# Altium PCB 16SoundsUSB.PcbDoc (part 1 of 4)
Units mil, origin at the board's own origin, x right, y up, seen from the top; angles counter-clockwise.
Board outline 6377.95 x 6377.95 mil, 4 copper layers (Top Layer, GND Plane, Signal Layer 2, Bottom Layer), stack 63.902 mil thick; 583 components, 362 nets, 1734 pads, 554 vias.
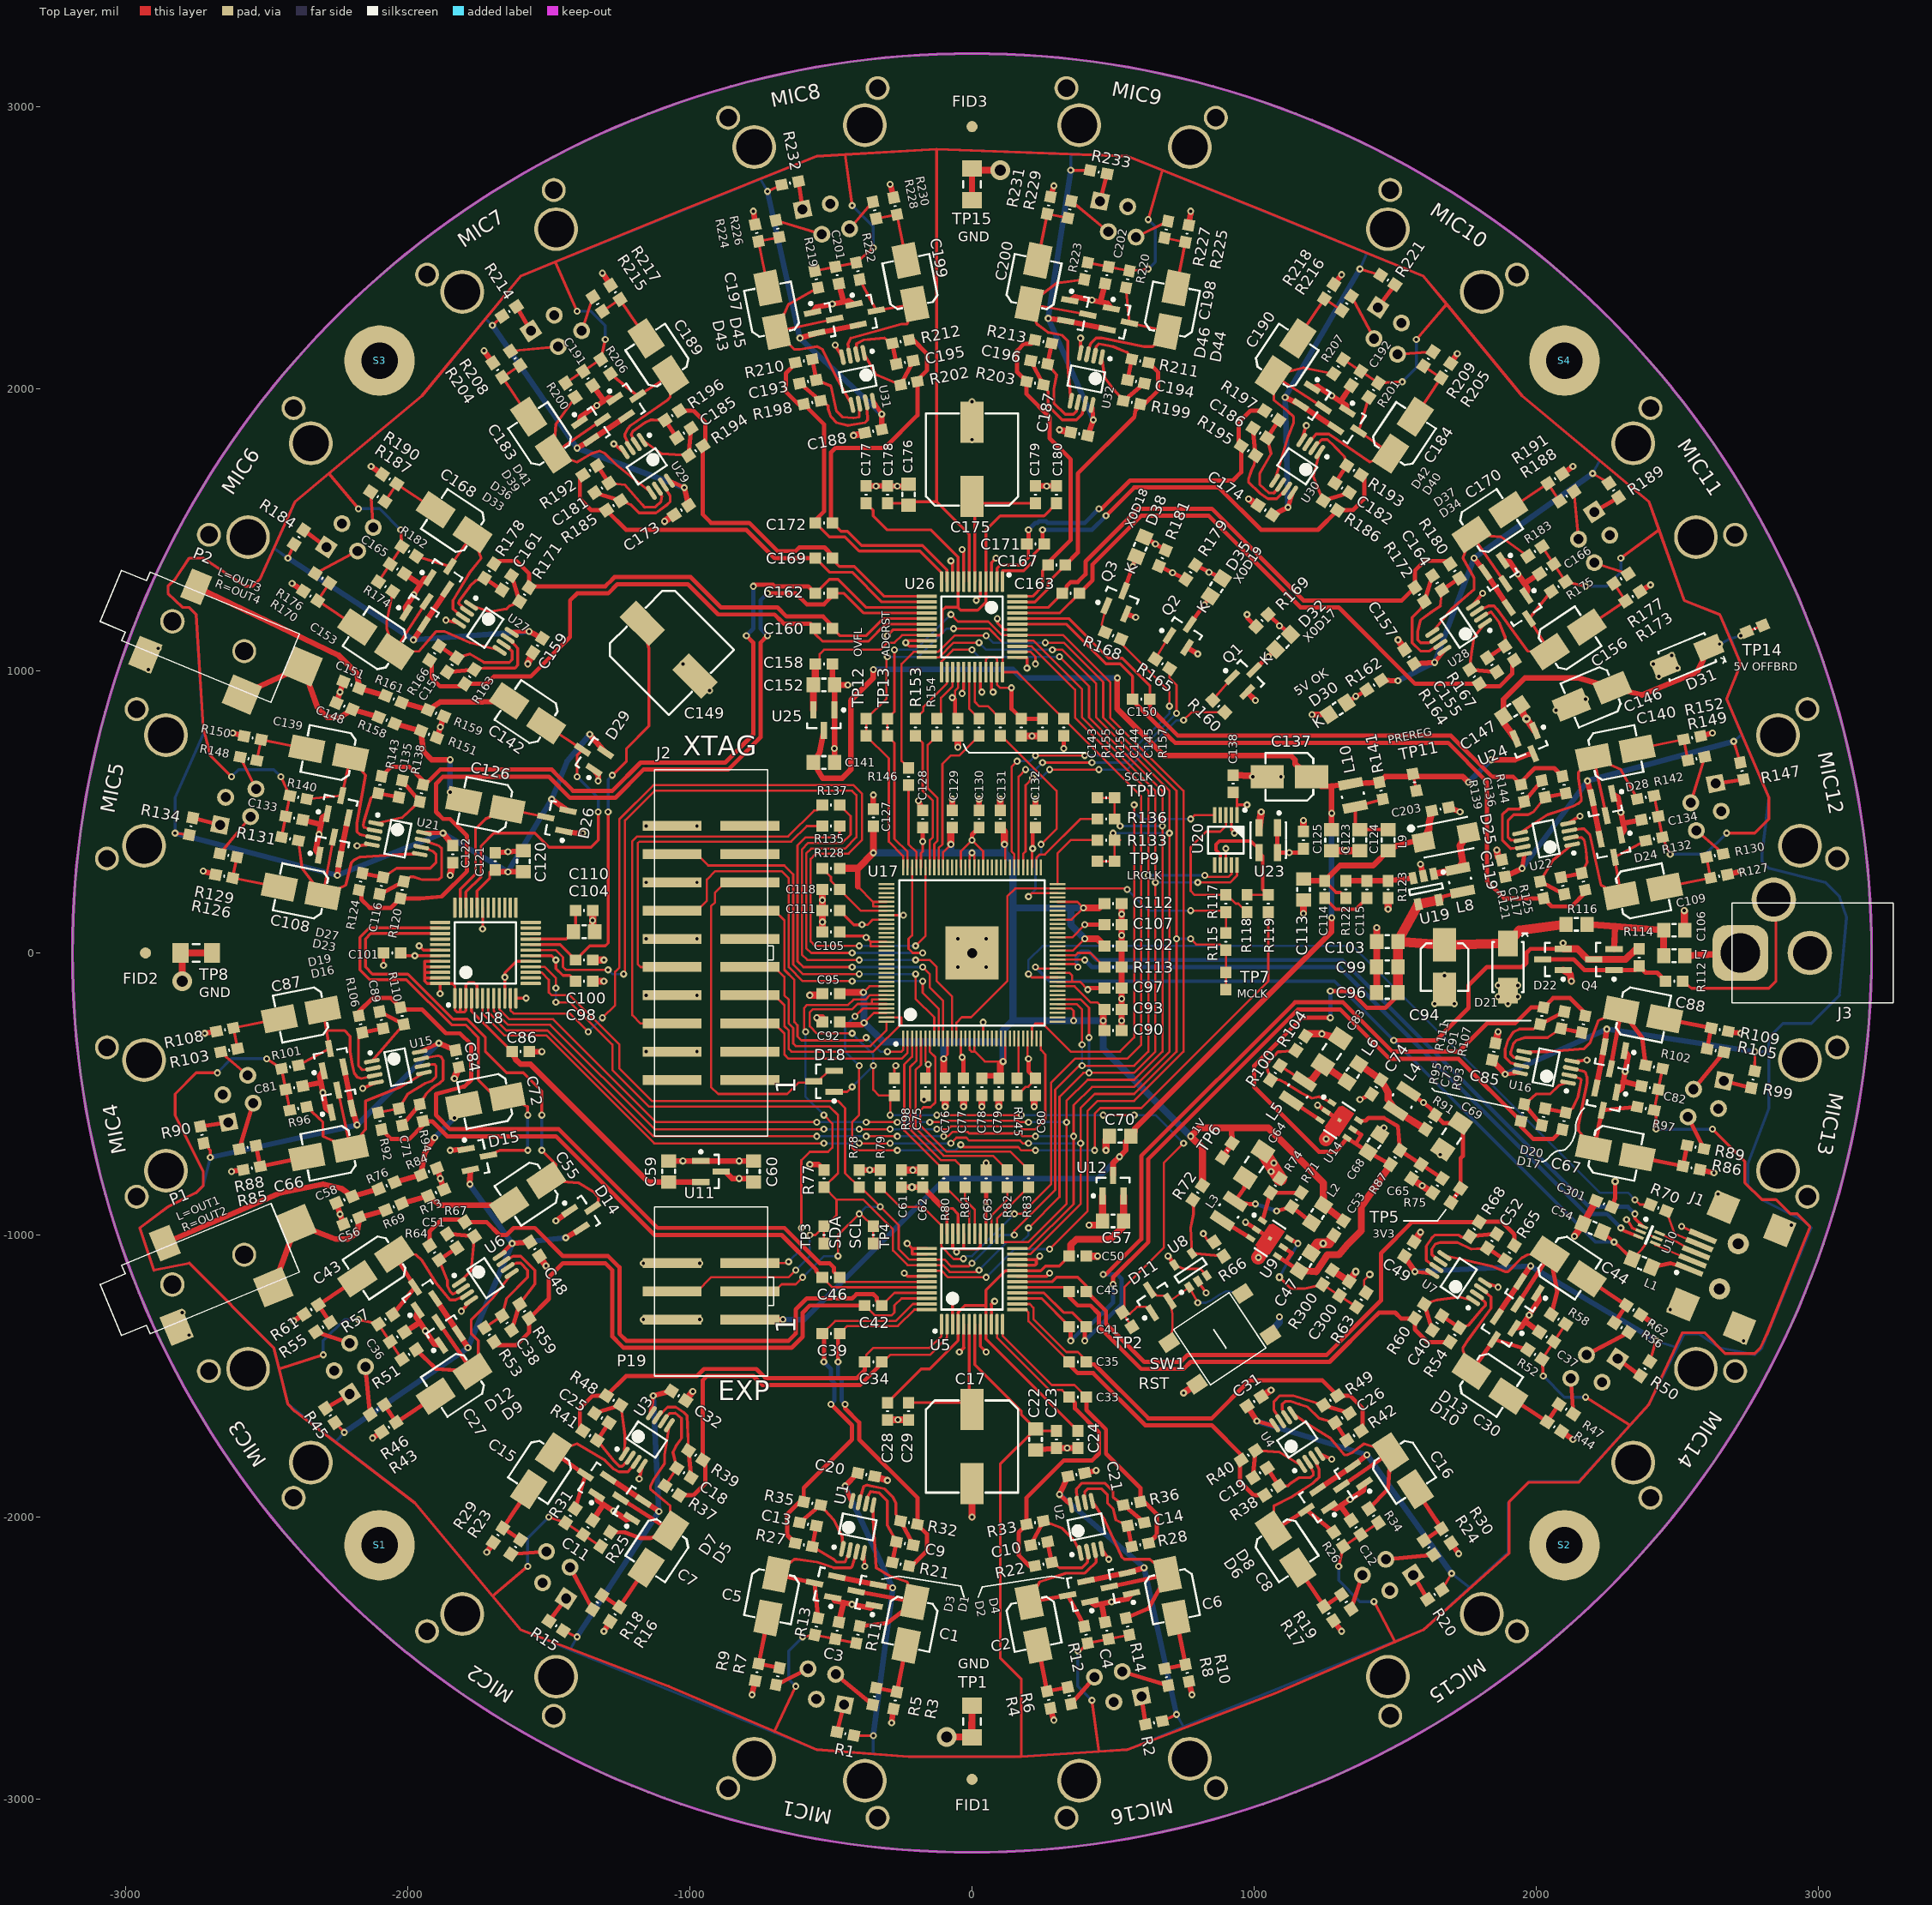
[diagram p0: Top Layer view]
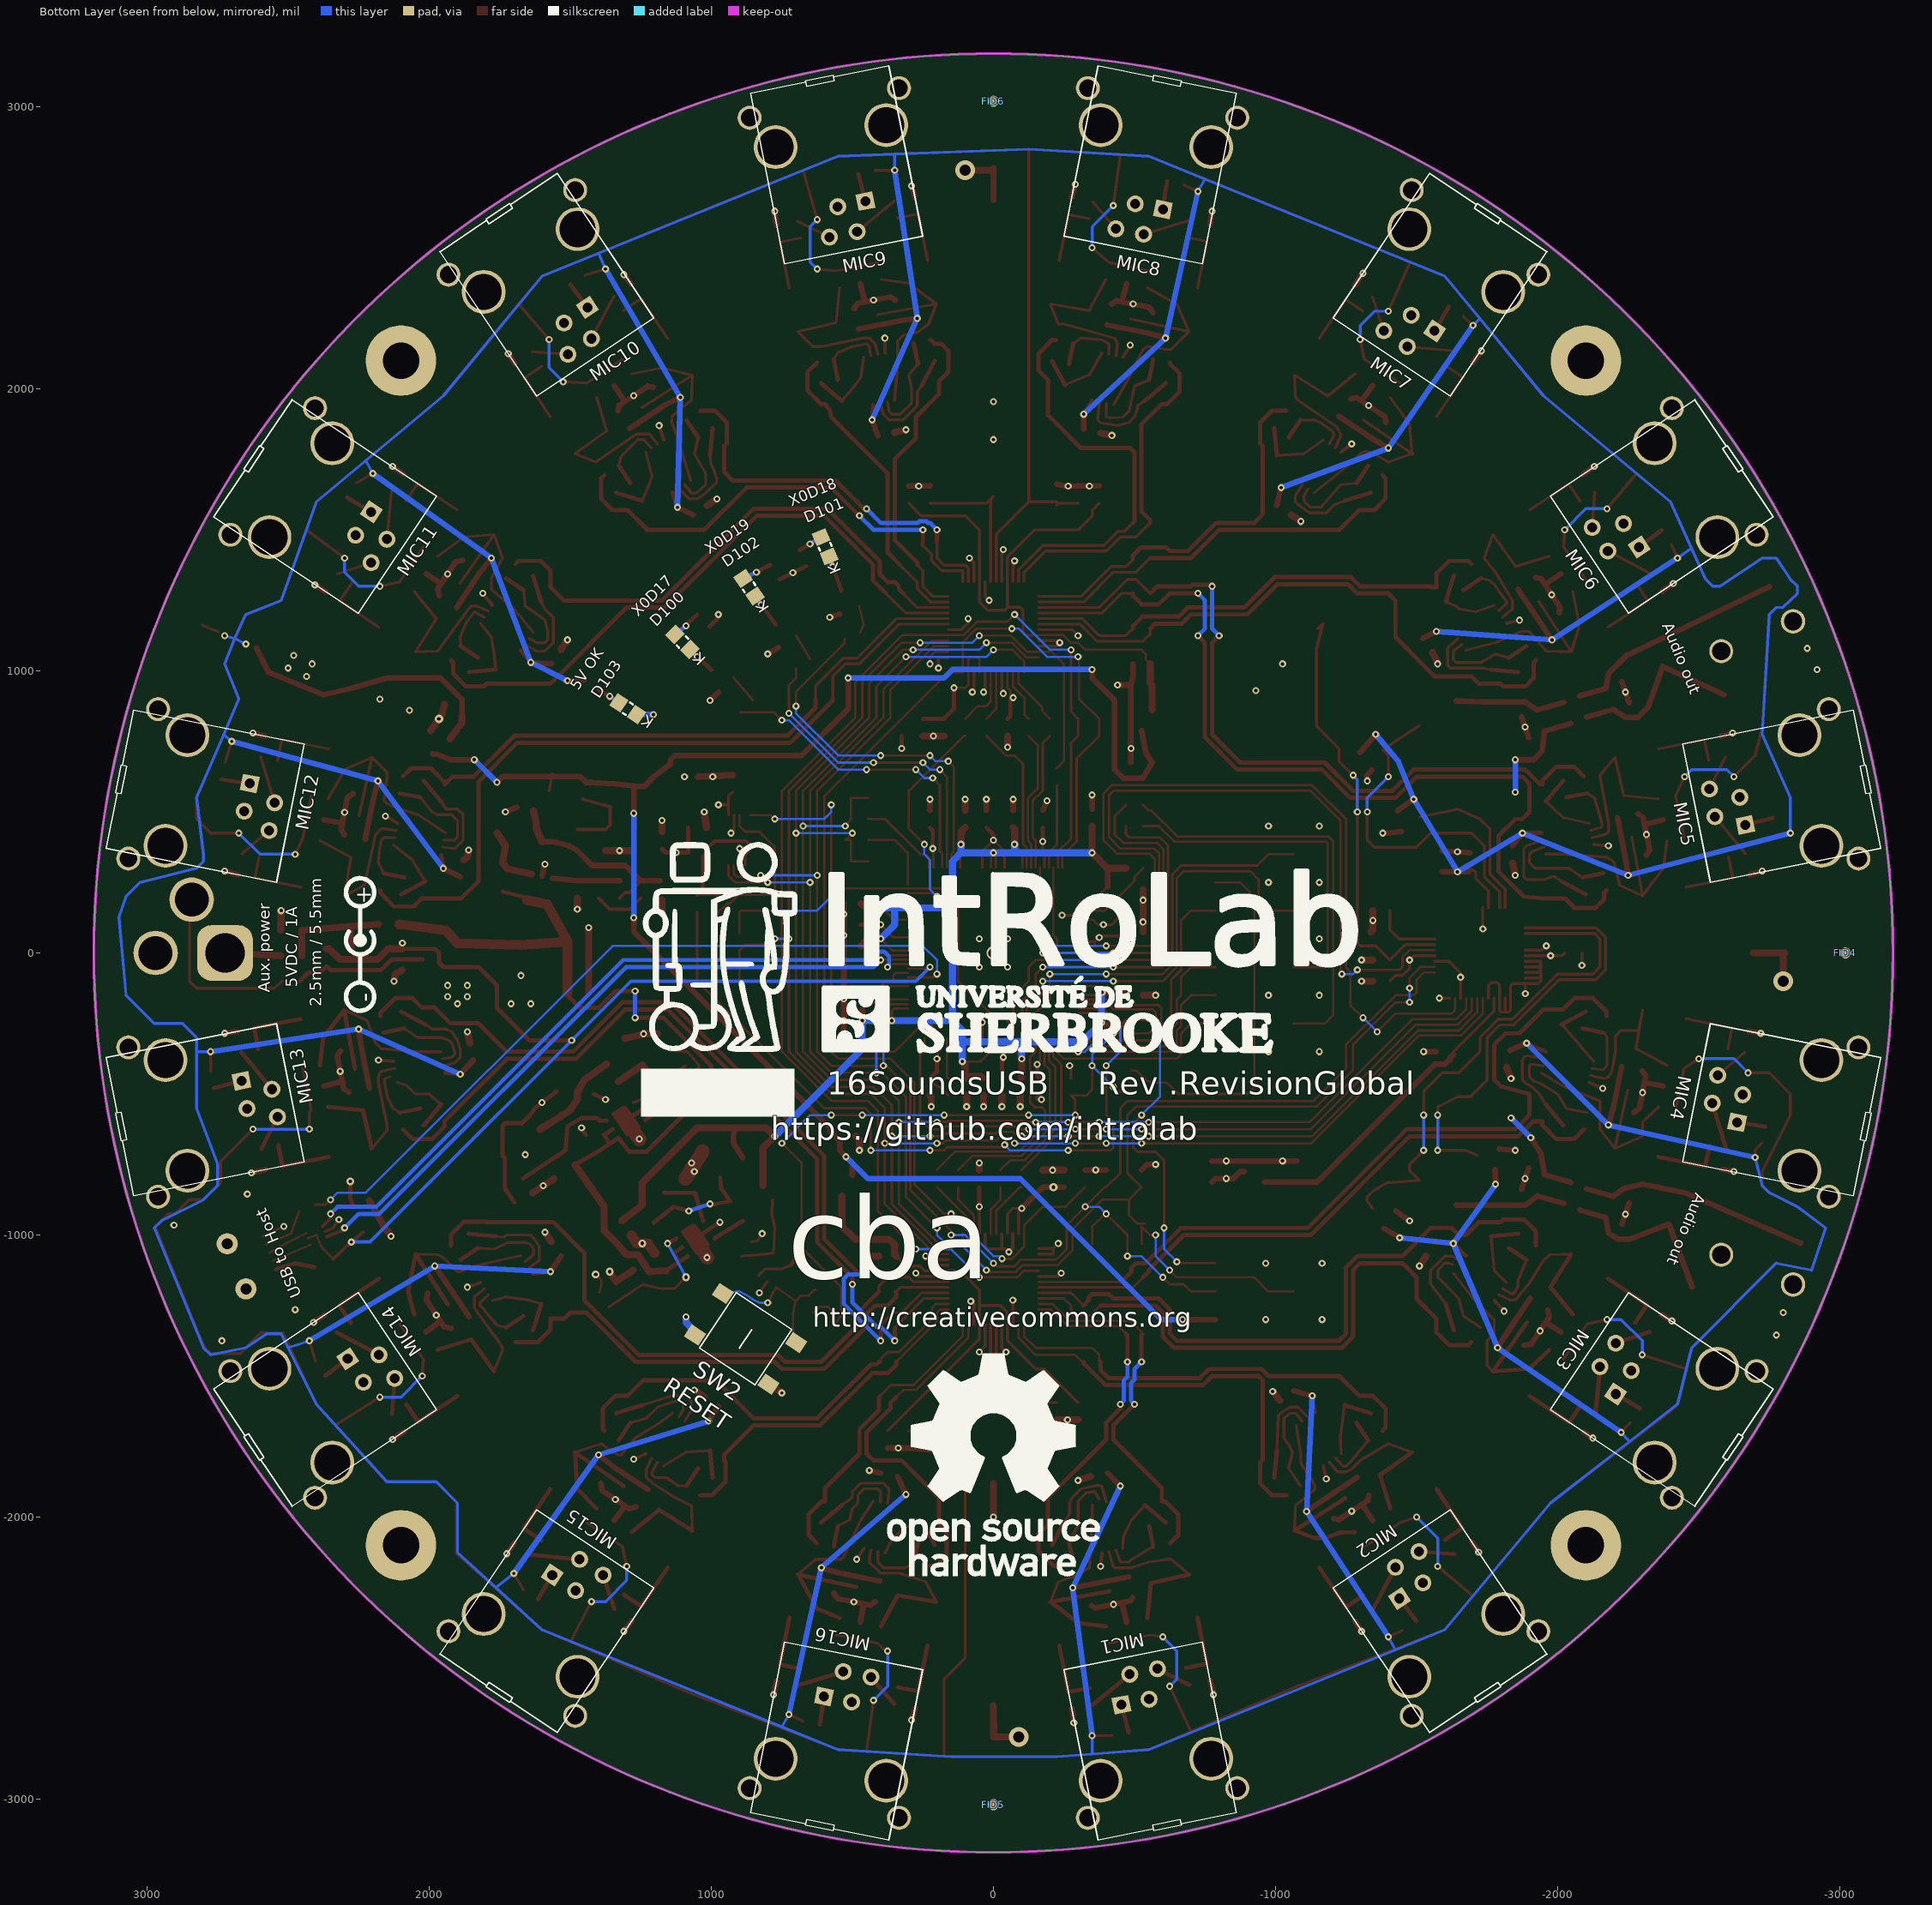
[diagram p1: Bottom Layer view, seen from below]
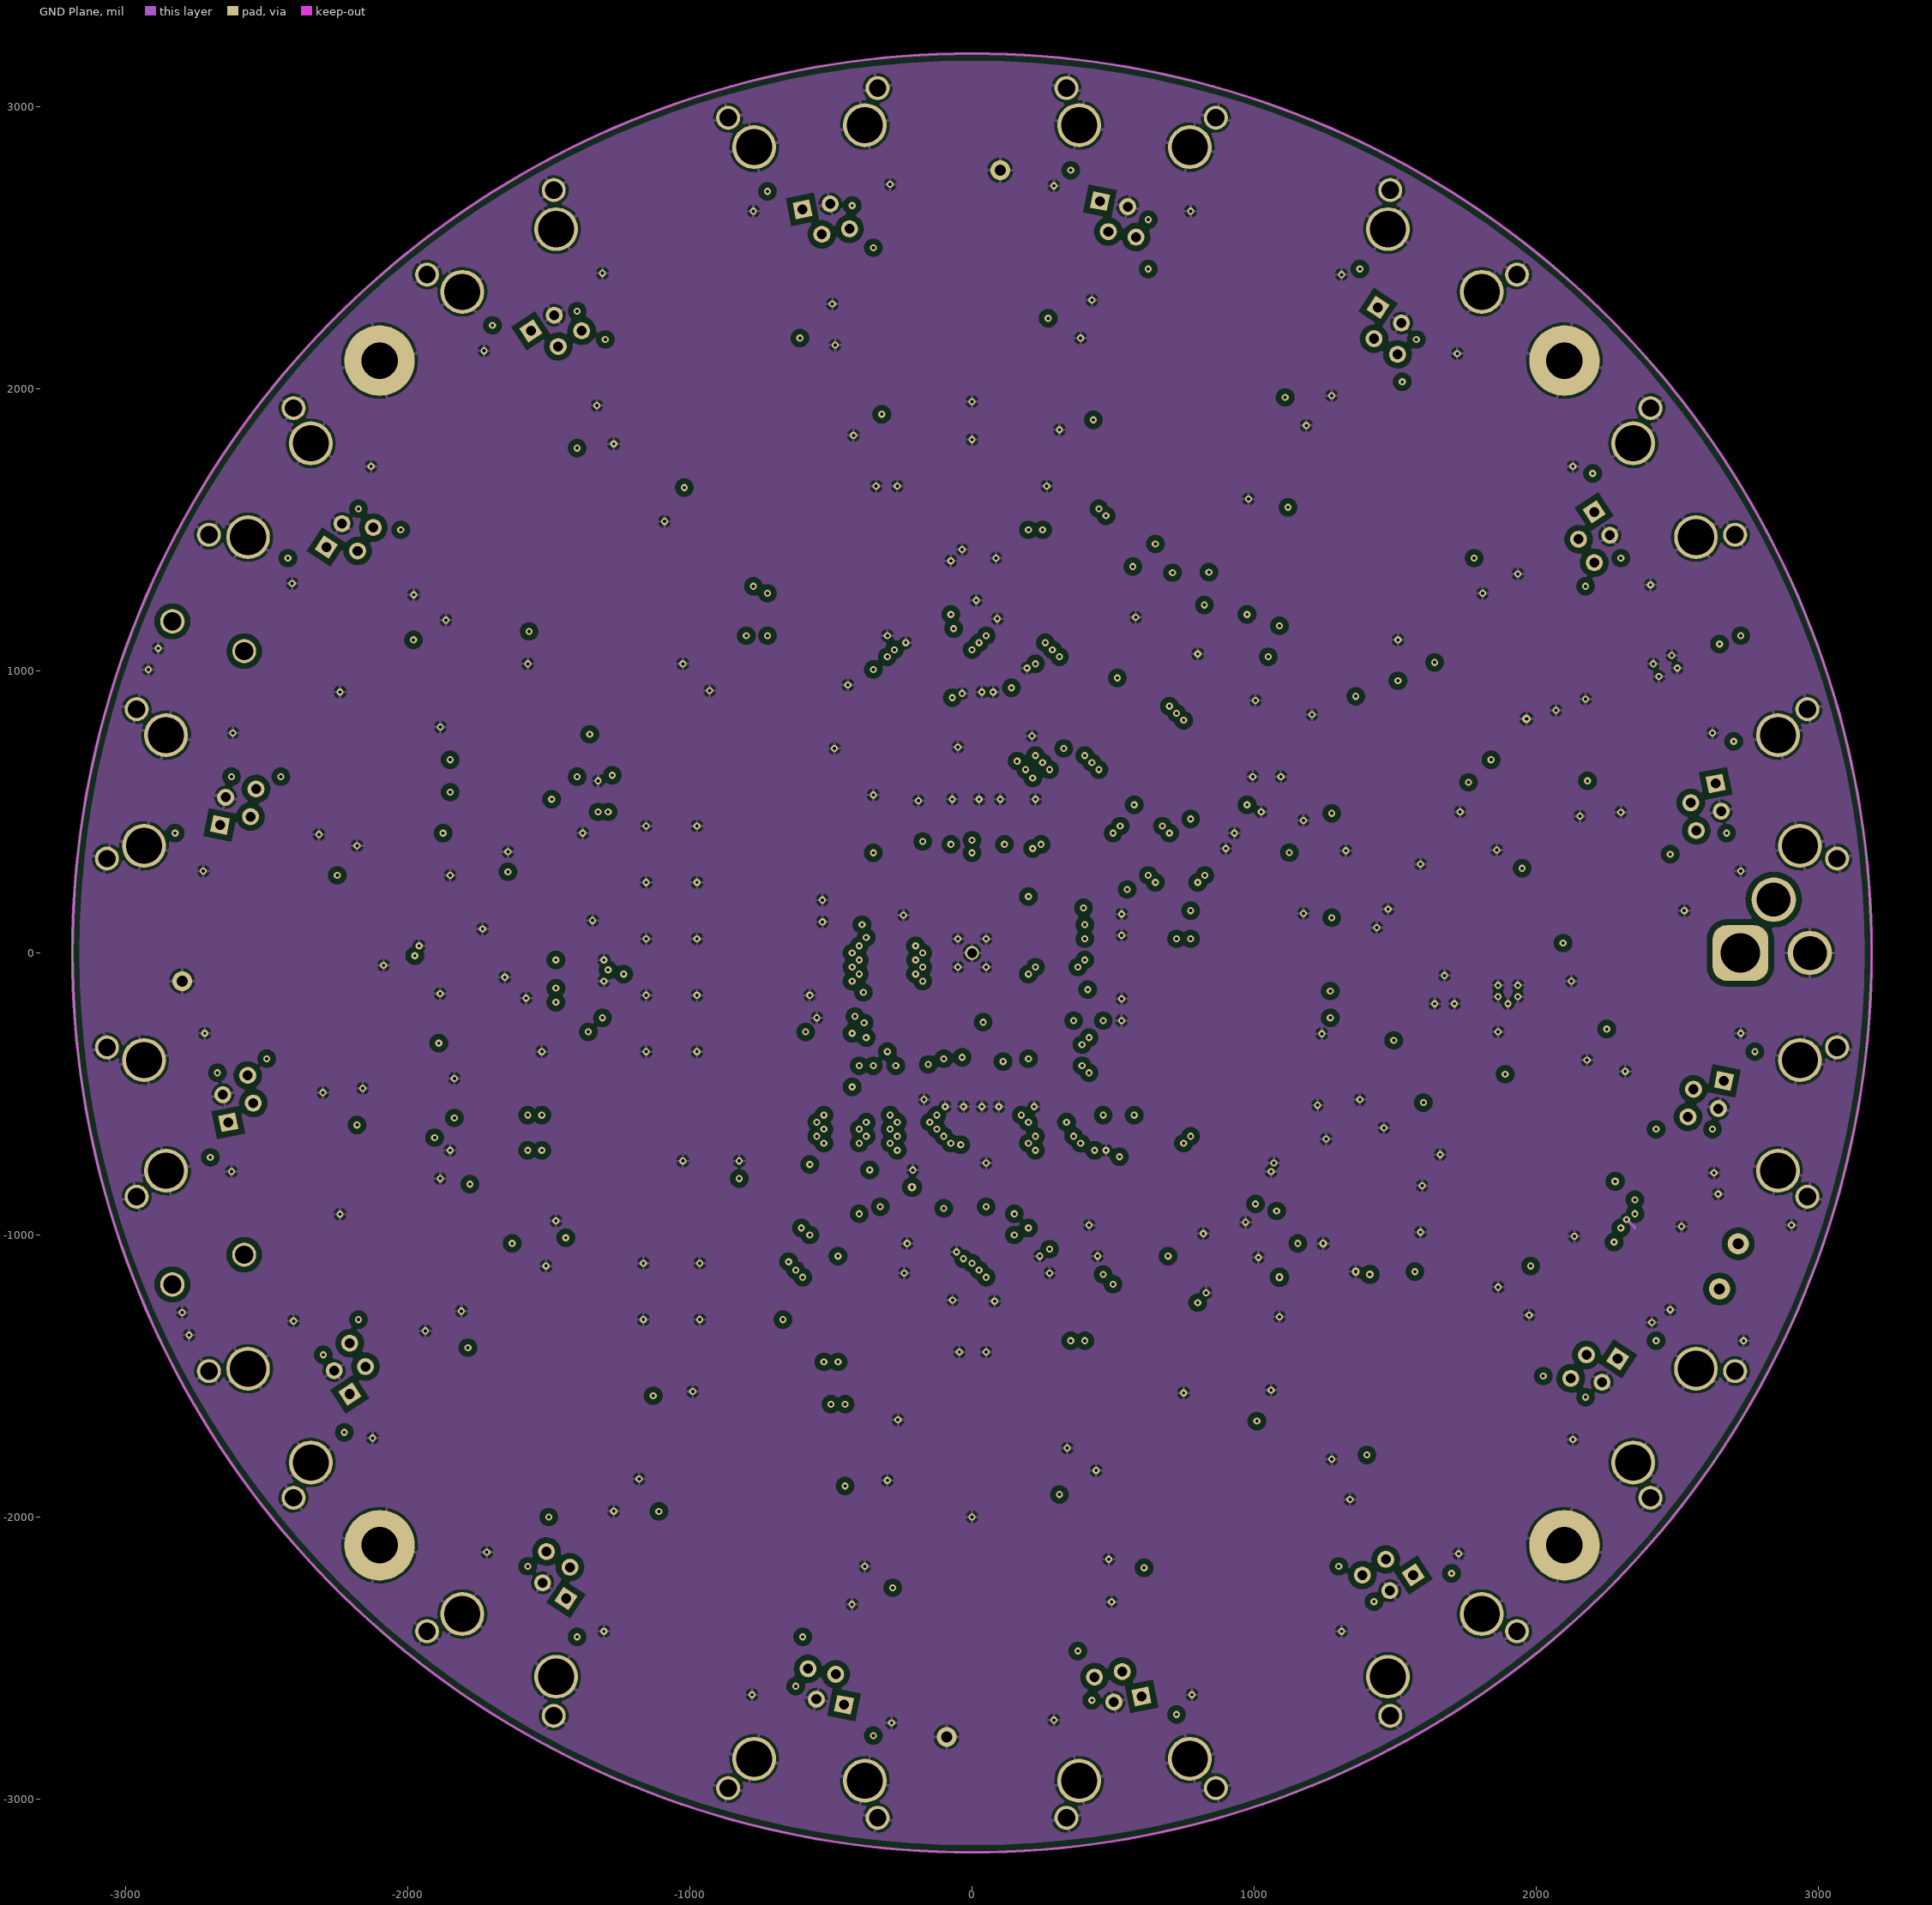
[diagram p2: GND Plane]